# Altium PCB ADAM202303_BACKDOOR.PcbDoc (part 2 of 2)
Units mil, origin at the board's own origin, x right, y up, seen from the top; angles counter-clockwise.
Board outline 3869.58 x 3543.31 mil, 2 copper layers (Top Layer, Bottom Layer); 120 components, 83 nets, 420 pads, 203 vias.
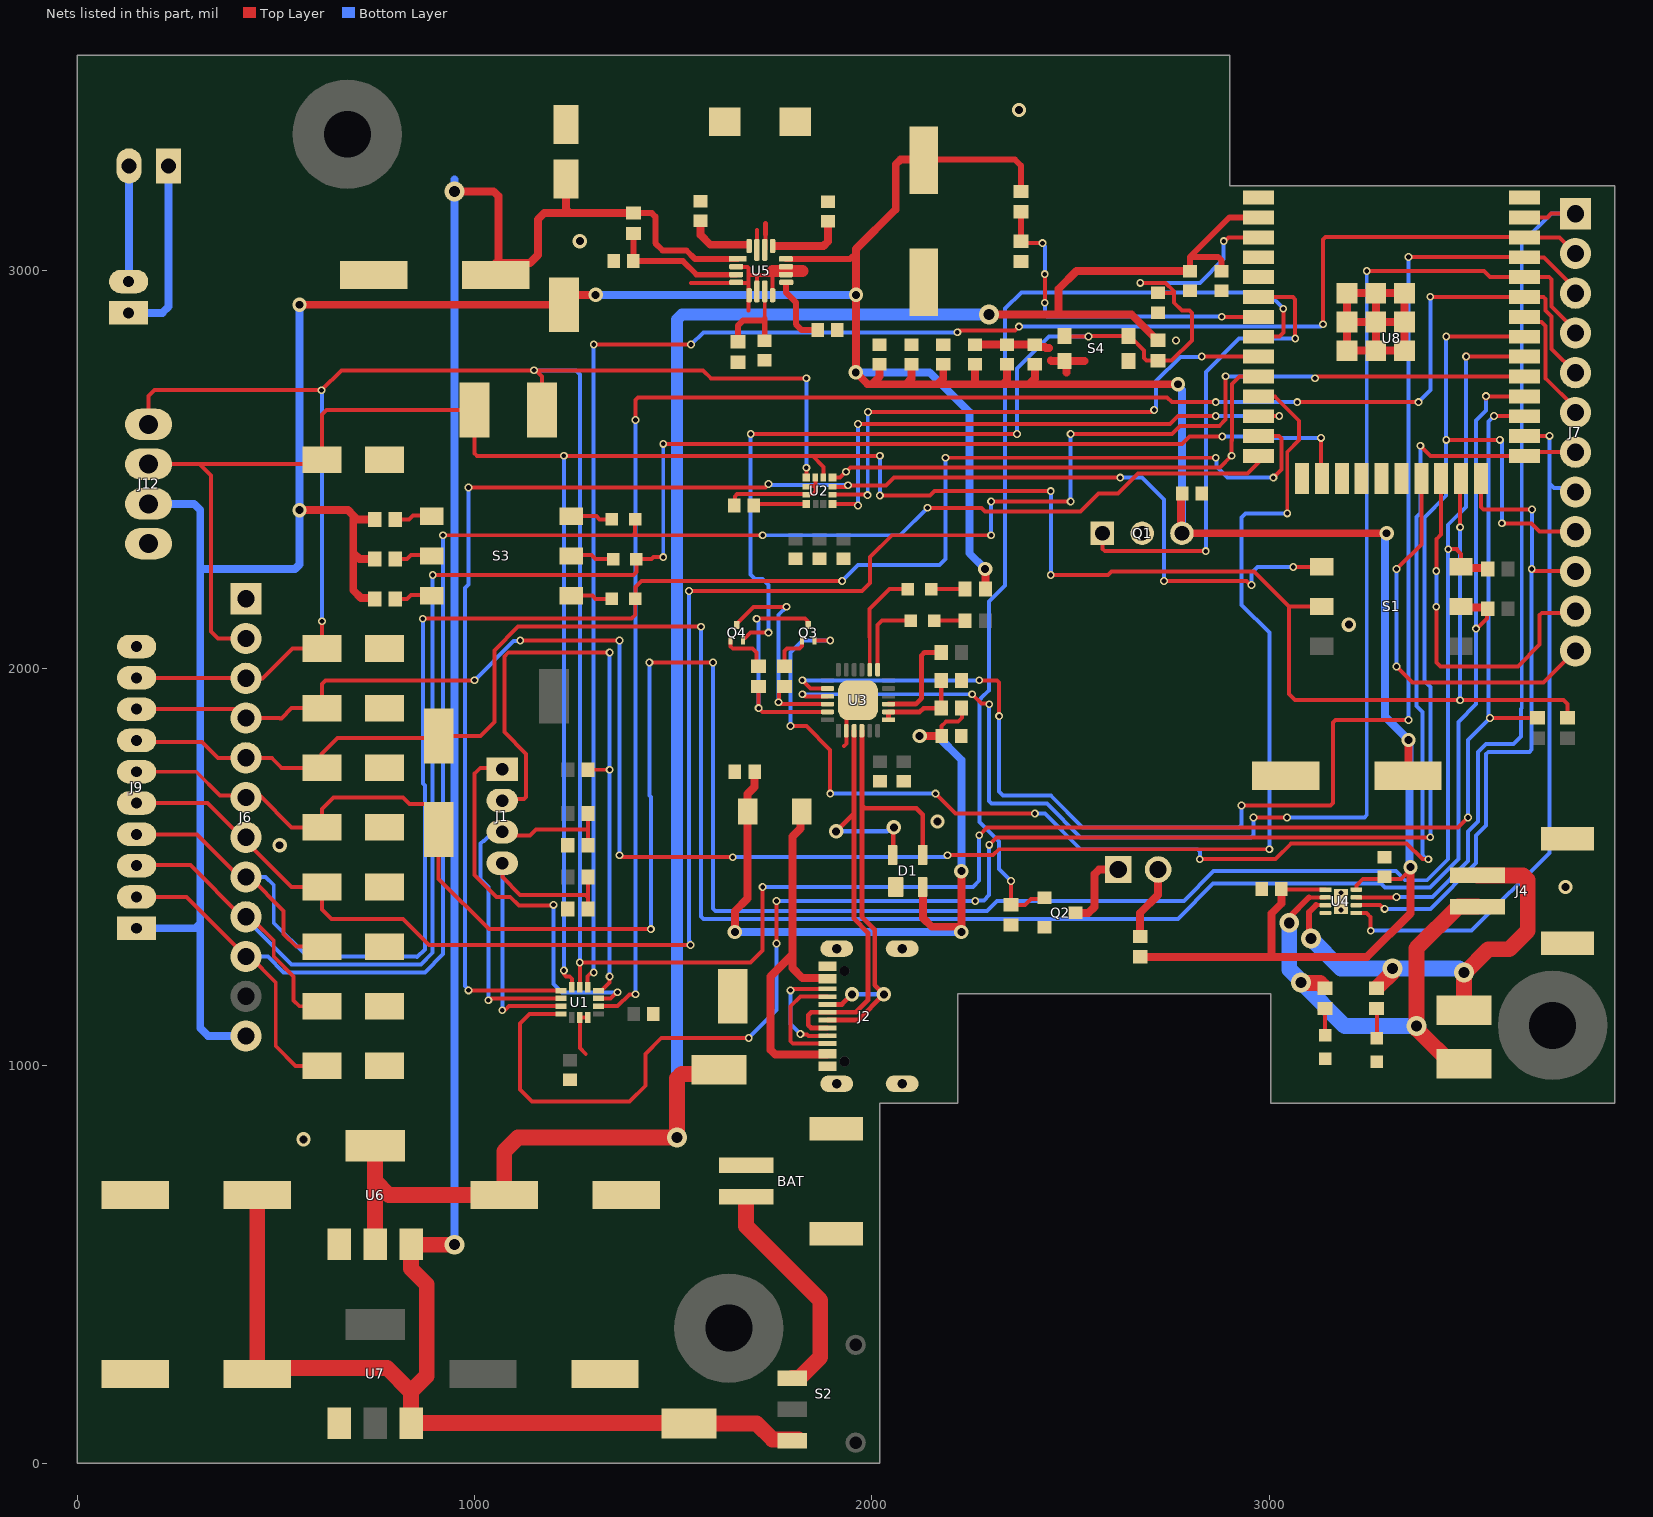
[diagram p2: the nets of this part, all layers, seen from the top]

## Via types
v1: diameter 19.68, hole 11.81, Top Layer to Bottom Layer, 154 vias
v2: diameter 36, hole 20, Top Layer to Bottom Layer, 32 vias
v3: diameter 50, hole 27.56, Top Layer to Bottom Layer, 17 vias

## Nets (pads, with @x,y where several pads share a name; then routed paths per layer and width w, separated by ;. In a path a pad name is that pad's centre, name@x,y a point inside that pad or via, vN(x,y) a via of type N, cw(c..) or ccw(c..) an arc to the next point about the centre after c; other vN are vias at no path point) (continued)
3D_SENSOR_EN: J7.2 U1.12 U8.36 | length 4342.8
  Top Layer w10: U1.12@1284.69,1197.8 1284.69,1225.45 v1@1292.71,1233.47 ; v1(1300,2815) v1(1545,2815) ; v1(2215.04,2845.68) 2219.36,2850 2360,2850 v1(2370,2860) ; v1(3135,2865.86) 3135,3079.14 3140.86,3085 3641.45,3085 U8.36@3641.94,3084.51 3729.49,3084.51 J7.2@3770,3044
  Bottom Layer w10: v1(1300,1235) v1(1300,2815) ; v1(1545,2815) 1575.68,2845.68 v1(2215.04,2845.68) ; v1(2370,2860) 3129.14,2860 v1(3135,2865.86)
+5V: 5V.1 C11.1 C12.2 C13.2 C19.2 C20.2 C21.2 C22.1 C23.1 C24.1 C25.1 C32.2 J6.12 J9.1 J12.2 Q1.3 R8.2 R15.2 R17.2 R18.2 R19.2 R20.2 U4.1 U4.8 U5.12 | length 10889.3
  Top Layer w10: C12.2@3030,1443.53 U4.1@3141.22,1443.53 ; U4.8@3218.78,1443.53 3218.78,1453.78 3235,1470 3331.26,1470 3351.49,1490.23 v2@3355,1490.23
  Top Layer w15: U5.12@1783.49,3030.37 1945.37,3030.37 1960,3045 ; C22.1@2131.7,3280 2360,3280 2375,3265 R20.2@2375,3200
  Top Layer w20: v2(560,2398.28) 681.72,2398.28 695,2385 ; v2(560,2915) 5V.1@1225,2915 1250,2940 v2(1305,2940) ; R19.2@749.41,2175 749.41,2176.97 714.75,2176.97 695,2196.72 695,2290.86 ; R18.2@749.41,2275 710.86,2275 695,2290.86 ; R17.2@749.41,2375 705,2375 695,2385 ; C19.2@2019.51,2765.39 2019.51,2734.51 2000,2715 ; C20.2@2099.51,2765.39 2099.51,2729.51 2085,2715 ; C22.1@2131.7,3280 2071.72,3280 2060,3268.28 2060,3155 1960,3055 1960,3045 v2(1960,2940) 1959.66,2939.66 1959.66,2745.34 v2(1959.33,2745) 1989.33,2715 2000,2715 ; C21.2@2179.51,2765.39 2179.51,2729.51 2165,2715 ; C23.1@2259.51,2765.39 2259.76,2765.15 2259.76,2715.24 2260,2715 ; v2(2285,2250) 2285.3,2249.7 2285.3,2200.3 R8.2@2285.59,2200 ; C24.1@2339.51,2765.39 2339.51,2724.51 2330,2715 ; C25.1@2409.76,2765.39 2409.76,2729.76 2395,2715 ; R15.2@2675,1274.41 2999.41,1274.41 ; v2(2770,2715) 2395,2715 ; C32.2@2775.39,2440 2777.7,2437.7 2777.7,2342.3 Q1.3@2780,2340 v2(3295,2340) ; C12.2@3027.74,1442.35 3030,1444.61 C12.2@3029.61,1445 ; C12.2@3030,1442.35 3030,1407.97 3005,1382.97 3005,1280 2999.41,1274.41 ; C11.1@3348.54,1730 3350,1731.46 v2(3350,1820) v2@3354.61,1815.39 ; v2@3355,1490.23 v2(3355,1500) 3355,1383.64 3245.77,1274.41 2999.41,1274.41 ; 695,2290.86 695,2385 ; 2000,2715 2085,2715 ; 2085,2715 2165,2715 ; 2165,2715 2260,2715 ; 2260,2715 2330,2715 ; 2330,2715 2395,2715
  Bottom Layer w20: J9.1@150,1346.26 298.28,1346.26 310,1357.98 ; J12.2@180,2414 294.28,2414 310,2398.28 310,2250 ; J6.12@425,1075 330,1075 310,1095 310,1357.98 ; v2(560,2915) v2(560,2398.28) 560,2261.72 548.28,2250 310,2250 ; v2(1305,2940) v2(1960,2940) ; v2(1959.33,2745) 2145,2745 2245,2645 2245,2290 v2(2285,2250) ; Q1.3@2780,2340 v2@2780,2700.67 ; v2(3295,2340) 3291,2336 3291,1879 v2(3350,1820) ; v2@3354.61,1815.39 3352.5,1813.29 3352.5,1502.5 v2(3355,1500) ; 310,1357.98 310,2250
BUZZER_EA: D14.2 J6.4 J9.8 U8.11 | length 4842.5
  Top Layer w10: J9.8@150,1897.44 402.56,1897.44 J6.4@425,1875 510,1875 510.86,1874.14 514.14,1874.14 540,1900 D14.2@616.26,1900 616.26,1961.26 625,1970 v1(1000,1970) ; v1(1115,2070) v1(1365,2070) ; v1(1365,1530) 1370,1525 v1(1650,1525) ; v1(2190,1530) 2305,1530 2320,1545 v1(3000,1545) ; 3013.58,2684.51 3075,2623.09 3075,2575 3045,2545 v1(3045,2390)
  Bottom Layer w10: v1(1000,1970) 1098.47,2068.47 1113.47,2068.47 v1(1115,2070) ; v1(1365,1530) v1(1365,2070) ; v1(1650,1525) 2185,1525 v1(2190,1530) ; v1(3000,1545) 3000,2090 2930,2160 2930,2380 2940,2390 v1(3045,2390)
C1: C3.2 U2.4 | length 134.1
  Top Layer w10: C3.2@1702.59,2410 1706.59,2414 U2.4@1834.98,2414
D+: D1.3 J2.A6 J2.B6 U3.4 | length 1269.8
  Top Layer w12: J2.A6@1888.78,1115.16 1965.16,1115.16 v2(2030,1180) 2007,1203 2007,1343 1974.84,1375.16 1974.84,1655.16 ; J2.B6@1888.78,1154.53 1924.53,1154.53 v2(1950,1180) ; U3.4@1974.84,1843.23 1974.84,1655.16 ; D1.3@2127.72,1530.71 2127.72,1632.28 2111.87,1648.13 1981.87,1648.13 1974.84,1655.16
  Bottom Layer w12: v2(1950,1180) v2(2030,1180)
D-: D1.4 J2.A7 J2.B7 U3.3 | length 1218.6
  Top Layer w12: J2.B7@1888.78,1095.47 1888.69,1095.57 1847.03,1095.57 1840,1102.6 1840,1127.81 1847.03,1134.84 J2.A7@1888.78,1134.84 1959.84,1134.84 1990,1165 1990,1335 1955.16,1369.84 1955.16,1635.16 ; v2(1910,1590) 1955.16,1635.16 ; U3.3@1955.16,1843.23 1955.16,1635.16 ; D1.4@2051.06,1531.06 2053.56,1533.56 2053.56,1598.56 v2(2055,1600)
  Bottom Layer w12: v2(1910,1590) 2038.51,1590 2048.51,1600 v2(2055,1600)
DATA_RDY_3D: J7.5 U1.9 U8.33 | length 4364.1
  Top Layer w10: U1.9@1312.64,1150.16 1360.16,1150.16 1390,1180 v1(1405,1180) ; v1(1405,2625) 1405,2675 1412,2682 2743,2682 2755,2670 v1(2865,2670) ; v1(3070,2670) v1(3375,2670) ; v1(3405,2935) 3405.49,2934.51 U8.33@3641.94,2934.51 3642.43,2935 3689.14,2935 3695,2929.14 3695,2900 3710,2885 3710,2804 J7.5@3770,2744
  Bottom Layer w10: v1(1405,1180) v1(1405,2625) ; v1(2865,2670) v1(3070,2670) ; v1(3375,2670) 3405,2700 v1(3405,2935)
DATA_RDY_MAG: U2.8 U8.9 | length 1376.4
  Top Layer w10: U2.8@1900.98,2437 1982.34,2437 1982.81,2436.53 1988.47,2436.53 v1(1989,2436) ; v1(1990,2645) 2702.84,2645 2707.84,2650 v1(2710,2650) ; v1(2830,2785) 2972.16,2785 U8.9@2972.65,2784.51
  Bottom Layer w10: v1(1989,2436) 1989.5,2436.5 1989.5,2644.5 v1(1990,2645) ; v1@2715,2650 2715,2722.84 2776,2783.84 2828.84,2783.84 v1(2830,2785)
DSM: S1.4 U1.1 U2.9 | length 3975.3
  Top Layer w10: v1(985,1190) 985.24,1189.76 1217.13,1189.76 U1.1@1217.36,1189.53 ; v1(985,2455) 1732.84,2455 1740,2462.16 v1(1740,2464) ; U2.9@1900.98,2457 1933.84,2457 1937.84,2461 v1(1940,2461) ; v1@1940,2460 2035,2460 2055,2480 v1(2625,2480) ; v1(2735,2220) 2942.84,2220 2952.84,2210 v1(2955,2210) ; v1(3060,2255) 3130.79,2255 S1.4@3131.77,2255.98
  Bottom Layer w10: v1(985,1190) 985,1192.16 976,1201.16 976,2201.95 985,2210.95 v1(985,2455) ; v1(1740,2464) 1743,2461 v1(1940,2461) ; v1(2625,2480) 2680,2480 2735,2425 v1(2735,2220) ; v1(2955,2210) 2955,2240 2970,2255 v1(3060,2255)
DSR: Q4.2 R22.2 U3.22 | length 566.1
  Top Layer w10: Q4.2@1660,2109.29 1660,2112.44 1702.56,2155 v1(1785,2155) ; R22.2@1780,1954.41 1778.03,1954.41 1766.3,1942.68 1766.3,1916.3 v1(1765,1915) 1767.16,1915 1772.01,1910.16 U3.22@1888.23,1910.16
  Bottom Layer w10: v1(1765,1915) 1765,2135 v1(1785,2155)
DTR: Q3.2 R23.2 U3.23 | length 600.1
  Top Layer w10: v1(1710,2125) 1832.06,2125 1837.91,2119.14 1837.91,2111.38 Q3.2@1840,2109.29 ; R23.2@1715,1954.41 v1(1715,1900) 1725,1890 1887.76,1890 U3.23@1888.23,1890.47
  Bottom Layer w10: v1(1710,2125) 1710,2122.84 1715,2117.84 v1(1715,1900)
"E/S EN": D13.2 J6.7 J9.5 U8.29 | length 5044.7
  Top Layer w10: J9.5@150,1661.22 328.77,1661.22 420,1570 539.99,1450 D13.2@616.26,1450 616.26,1393.74 640,1370 820,1370 886,1304 v1(1543.78,1304) ; v1(1540,2195) 1975,2195 1995,2215 1995,2280 2050,2335 v1(2300,2335) ; v1(2300,2420) v1(2500,2420) ; v1@2500,2584.14 2505.86,2590 2755,2590 2775,2610 2873.94,2610 2890,2626.06 v1(2890,2735) ; v1(3115,2730) 3119.51,2734.51 U8.29@3641.94,2734.51
  Bottom Layer w10: v1(1540,2195) 1540,1314.63 1541.93,1312.7 1541.93,1305.85 v1(1543.78,1304) ; v1(2300,2335) v1(2300,2420) ; v1(2500,2420) v1@2500,2584.14 ; v1(2890,2735) 3107.84,2735 3112.84,2730 v1(3115,2730)
  other v1: 2500,2590
ESP_EN: C33.2 Q4.3 R24.1 S4.3 S4.4 U8.3 | length 2694.8
  Top Layer w10: Q4.3@1675.75,2070.71 1675.75,2075.63 1676.06,2075.94 1680.98,2075.94 1695.04,2090 v1(1740,2090) ; v1(1695,2590) v1(2365,2590) ; S4.4@2487.13,2835.73 2487.86,2835 v1(2545,2835) ; v1@2544.27,2836.43 2650.7,2836.43 2650.7,2834.46 2685,2800.16 2685,2780.86 2690.86,2775 2707.74,2775 2714.16,2768.57 R24.1@2720,2774.41 2754.14,2774.41 2805,2825.27 2805,2894.14 2799.14,2900 2780,2900 2760,2920 2760,2948.93 2738.93,2970 v1(2675,2970) ; C33.2@2720,2944.61 2754.14,2944.61 2758.47,2948.93 ; v1(2885,3075) 2887.16,3075 2896.68,3084.51 U8.3@2972.65,3084.51
  Bottom Layer w10: v1(1695,2590) 1695,2235.86 1705.86,2225 1725,2225 1740,2210 v1(1740,2090) ; v1(2365,2590) 2365,2754.68 2445.32,2835 v1(2545,2835) ; v1(2675,2970) 2825,2970 2885,3030 v1(2885,3075)
GND: BAT.2 BAT.3 BAT.4 C1.1 C2.1 C3.1 C4.1 C5.1 C6.1 C7.1 C8.1 C9.1 C10.1 C11.2 C12.1 C13.1 C15.2 C16.2 C17.1 C19.1 C20.1 C21.1 C22.2 C23.2 C24.2 C25.2 C26.2 C27.1 C28.2 C29.2 C30.2 C31.2 C32.1 C33.1 C34.1 C35.1 D1.1 D4.2 D5.2 D10.1 D11.1 D12.1 D13.1 D14.1 D15.1 D16.1 D17.1 D18.1 GND.1 J2.A1_B12 J2.B1_A12 J2.S1 J2.S2 J2.S3 J2.S4 J4.3 J4.4 J6.1 J9.10 J12.1 Q1.2 Q2.2 R4.1 R5.1 R10.1 R14.1 R16.1 R21.1 S4.1 S4.2 U1.6 U1.7 U2.2 U2.3 U2.12 U3.2 U3.25 U4.4 U4.9 U4.9_1 U4.9_2 U5.2 U5.4 U5.5 U5.6 U5.8 U5.10 U5.11 U6.1 U7.1 U8.1 U8.15 U8.38 U8.39 | length 2242.5
  Top Layer w10: 1280,1030 1265,1045 U1.6@1265,1122.2 U1.7@1284.69,1122.2 ; 1545.06,2969.94 1690,2969.94 ; C3.1@1653.38,2410 1655,2411.62 1655,2433.03 1660.86,2438.89 1852.13,2438.89 1857.98,2444.75 1857.98,2460.86 ; U5.2@1658.53,3010.69 1659.21,3010 1686.51,3010 1688.95,3007.56 1688.95,2990 ; 1690,2900 1690,2969.94 ; U5.6@1710.65,2948.68 1710.65,2990 ; U5.8@1750.02,2938.87 1750.02,2990 ; 1750.02,3010 1750.02,3000 1750.02,2990 ; U2.2@1834.98,2457 1836.87,2458.89 1856.02,2458.89 1857.98,2460.86 ; U2.12@1857.98,2480 1857.98,2460.86 ; 1930,1805 1935.47,1810.47 U3.2@1935.47,1843.23 1936.38,1844.13 1936.38,1891.38 U3.25@1965,1920 ; 1688.95,2990 1710.65,2990 ; 1688.95,2990 1690,2988.95 1690,2969.94 ; 1710.65,2990 1750.02,2990
  Top Layer w20: C23.2@2259.51,2814.61 C24.2@2339.51,2814.61 C25.2@2409.76,2814.61 2415.5,2808.86 2435.13,2808.86 2437.99,2806 2445,2806 ; 2450,2775 2451.57,2773.43 S4.2@2489.28,2773.43 ; 2490,2745 2490,2772.72 S4.2@2489.28,2773.43 ; 2535,2773.43 S4.2@2489.28,2773.43 ; U8.39@3195.51,2871.76 U8.39@3195.51,2944 U8.39@3267.76,2944 ; U8.39@3195.51,2871.76 U8.39@3195.51,2799.51 U8.39@3267.76,2799.51 ; U8.39@3195.51,2871.76 U8.39@3267.76,2871.76 ; U8.39@3267.76,2799.51 U8.39@3340,2799.51 U8.39@3340,2871.76 ; U8.39@3267.76,2799.51 U8.39@3267.76,2871.76 ; U8.39@3267.76,2871.76 U8.39@3340,2871.76 ; U8.39@3267.76,2871.76 U8.39@3267.76,2944 ; U8.39@3267.76,2944 U8.39@3340,2944 U8.39@3340,2871.76
  Top Layer w30: 1750.02,3000 1825,3000
  other v1: 2765,2825
  other v2: 570,815 3745,1450 510,1555 2165,1615 3200,2110 1265,3075 2370,3405
GPIO0: J7.7 Q3.3 U8.25 | length 3653.3
  Top Layer w10: v1(1795,1855) 1835,1855 1895,1795 v1(1895,1685) ; Q3.3@1855.75,2070.71 1855.75,2070.31 1856.06,2070 v1(1895,2070) ; v1(2160,1685) 2210,1635 v1(2410,1635) ; v1(2825,1520) 3015,1520 3055,1560 3345,1560 3385,1520 v1(3400,1520) ; v1(3380,2560) 3405.49,2534.51 U8.25@3641.94,2534.51 3651.43,2544 J7.7@3770,2544
  Bottom Layer w10: v1(1795,1855) 1795,2040 1825,2070 v1(1895,2070) ; v1(1895,1685) v1(2160,1685) ; v1(2410,1635) 2435,1635 2525,1545 2819.14,1545 2825,1539.14 v1(2825,1520) ; v1(3380,2560) 3380,2391.21 3370,2381.21 3370,1905 3385,1890 3385,1530.7 3390.86,1524.84 3392.54,1524.84 3397.38,1520 v1(3400,1520)
GPIO6: U8.20
GPIO7: J7.12 U8.21 | length 997.9
  Top Layer w10: v1(3320,2005) 3360,1965 3690,1965 3769,2044 J7.12@3770,2044 ; v1(3320,2250) 3382.29,2312.29 U8.21@3382.29,2477.77
  Bottom Layer w10: v1(3320,2005) v1(3320,2250)
GPIO8: J7.11 U8.22 | length 923
  Top Layer w10: v1(3420,2155) 3420,2015 3430,2005 3625,2005 3680,2060 3680,2134.14 3685.86,2140 3766,2140 J7.11@3770,2144 ; v1(3420,2245) 3420,2325 3432.29,2337.29 U8.22@3432.29,2477.77
  Bottom Layer w10: v1(3420,2155) v1(3420,2245)
GPIO9: U8.17
GPIO10: U8.18
GPIO11: U8.19
GPIO32: J7.6 U8.32 | length 311
  Top Layer w10: U8.32@3641.94,2884.51 3654.44,2872.01 3684.14,2872.01 3695,2861.15 3695,2730 3770,2655 J7.6@3770,2644
INFRA_R: Q1.1 U8.6 | length 1205.8
  Top Layer w10: Q1.1@2580,2340 2580,2300.86 2585.86,2295 v1(2840,2295) ; U8.6@2972.65,2934.51 3059.14,2934.51 3065,2928.65 v1(3065,2830)
  Bottom Layer w10: v1(2840,2295) 2840,2745.95 2924.05,2830 v1(3065,2830)
INFRA_T: Q2.1 R16.2 U8.8 | length 2511
  Top Layer w10: v1(2350,1465) R16.2@2350,1405.59 2350.59,1405 2385,1405 2400,1420 2431,1420 Q2.1@2434,1423 ; U8.8@2972.65,2834.51 2973.14,2835 3025,2835 3035,2845 v1(3035,2905)
  Bottom Layer w10: v1(2350,1465) 2320,1495 2320,1565 2271,1614 2271,1919.94 2275,1923.94 2275,1925 2295,1945 2295,2168.58 2335,2208.58 2335,2905 2376,2946 2994,2946 v1(3035,2905)
INT_3D: J7.9 U1.4 U8.31 | length 5165.5
  Top Layer w10: U1.4@1217.36,1130.47 1139,1130.47 1115,1106.47 1115,940 1145,910 1390,910 1430,950 1430,1030 1470,1070 1479.46,1070 ; 1479.71,1070.25 1479.46,1070 ; v1(1690,1070) 1479.46,1070 ; v1(1760,1308) v1(1760,1415) ; v1(2260,1415) v1@2261.53,1416.53 ; v1(2295,1556) 2314,1575 v1(3404.84,1575) ; v1(3445,2575) v1(3580,2575) ; v1(3445,2835) 3445.49,2834.51 U8.31@3641.94,2834.51 ; v1(3585,2365) 3659.05,2365 3680.05,2344 J7.9@3770,2344
  Bottom Layer w10: v1(1690,1070) 1760,1140 v1(1760,1308) ; v1(1760,1415) v1(2260,1415) ; v1@2261.53,1416.53 2281.53,1416.53 2295,1430 v1(2295,1556) ; v1(3404.84,1575) 3404.84,1953.74 3390,1968.58 3390,2380 3445,2435 v1(3445,2575) v1(3445,2835) ; v1(3580,2575) 3585,2570 v1(3585,2365)
INT_MAGNET: U2.7 U8.12 | length 1391.5
  Top Layer w10: U2.7@1900.98,2414 1958.84,2414 1962.84,2410 v1(1965,2410) ; v1(1965,2615) 2750,2615 2770,2635 v1(2865,2635) ; U8.12@2972.65,2634.51 3024.51,2634.51 v1(3025,2635)
  Bottom Layer w10: v1(1965,2410) v1(1965,2615) ; v1(2865,2635) v1(3025,2635)
IO35: R20.1 R21.2 U8.7 | length 845.9
  Top Layer w10: R21.2@2375,3075 2380,3070 v1(2429.14,3070) ; v1(2435,2920) v1@2435,2994.24 ; v1(2880,2885) 2880.49,2884.51 U8.7@2972.65,2884.51
  Top Layer w15: R21.2@2375,3075 R20.1@2375,3148.82
  Bottom Layer w10: v1(2429.14,3070) 2429.14,3067.84 2435,3061.98 v1@2435,3000.23 ; v1(2435,2920) 2435,2890.86 2440.86,2885 v1(2880,2885)
  other v1: 2435,2992.07
LED_B_CTRL: D9.2 D17.2 J6.8 J9.4 U8.13 | length 4745.2
  Top Layer w10: J9.4@150,1582.48 301.66,1582.48 399.77,1484.37 415.63,1484.37 J6.8@425,1475 435,1475 520,1390 520,1331.63 551.63,1300 D17.2@616.26,1300 ; v1(870,2125) 1395,2125 1404.53,2134.53 D9.2@1404.53,2175 1405,2175.47 1405,2205 1420,2220 v1(1925,2220) ; v1(2185,2530) v1(2865,2530) ; U8.13@2972.65,2584.51 3024.14,2584.51 3030,2578.65 3030,2500 v1(3010,2480)
  Bottom Layer w10: J6.8@425,1475 474.8,1475 495,1454.8 495,1360 580,1275 855,1275 855.86,1274.14 875,1293.28 875,1705.56 870,1710.56 v1(870,2125) ; v1(1925,2220) 1965,2260 2170,2260 2185,2275 v1(2185,2530) ; v1(2865,2530) 2866.53,2528.47 2866.53,2508.47 2895,2480 v1(3010,2480)
LED_G_CTRL: D8.2 D16.2 J6.9 J9.3 U8.16 | length 4827.4
  Top Layer w10: J9.3@150,1503.74 151.26,1505 285,1505 415,1375 J6.9@425,1375 435.23,1364.77 445.23,1364.77 495,1315 495,1275 545,1225 545,1165 560,1150 D16.2@616.26,1150 ; v1(895,2235) 1400,2235 1407.64,2242.64 D8.2@1407.64,2275 1445,2275 1450,2280 v1(1475,2280) ; v1(1475,2565) 2780,2565 2798.56,2583.56 v1(2881.44,2583.56) ; v1(3130,2580) 3130,2480.07 U8.16@3132.29,2477.77
  Bottom Layer w10: J6.9@425,1375 425,1370 540,1255 865,1255 895,1285 v1(895,2235) ; v1(1475,2280) v1(1475,2565) ; v1(2881.44,2583.56) 3003.18,2583.56 3006.73,2580 v1(3130,2580)
LED_R_CTRL: D7.2 D15.2 J6.10 J9.2 U8.14 | length 4516
  Top Layer w10: J9.2@150,1425 275,1425 J6.10@425,1275 435,1275 500,1210 500,1050 550,1000 D15.2@616.26,1000 ; v1(921,2335) 1398.42,2335 ; D7.2@1404.28,2375.31 1404.28,2340.86 1398.42,2335 ; v1(1725,2335) 1398.42,2335 ; v1(2140,2404) 2276,2404 2285,2395 2525,2395 2570,2440 2618.94,2440 2668.94,2490 2945,2490 2972.65,2517.65 U8.14@2972.65,2534.51
  Bottom Layer w10: J6.10@425,1275 480,1275 520,1235 875,1235 921,1281 v1(921,2335) ; v1(1725,2335) 2071,2335 v1(2140,2404)
MAGNET_EN: U2.10 U8.10 | length 1282.5
  Top Layer w10: U2.10@1900.98,2480 1920,2480 v1(1935,2495) 1946,2506 2876,2506 v1(2905,2535) 2905,2573.18 2905.44,2573.62 2905.44,2715.44 2924.51,2734.51 U8.10@2972.65,2734.51
MISO: D12.2 J6.6 J9.6 MISO.1 R27.1 S1.3 U8.30 | length 6584.8
  Top Layer w10: J9.6@150,1739.96 J9.6@150,1739.96 300,1740 360,1680 460,1680 540,1600 D12.2@616.26,1600 616.26,1646.26 645,1675 820,1675 836.1,1658.9 877.6,1658.9 910,1626.5 MISO.1@910,1595 910,1470 1036,1344 v1(1443.78,1344) ; v1(1440,2015) v1(1600,2015) ; v1(3450,2300) 3471.53,2300 ; 3471.53,2298.47 3482.17,2287.83 S1.3@3482.17,2255.98 ; v1@3495.49,2784.51 U8.30@3641.94,2784.51
  Top Layer w20: S1.3@3482.17,2255.98 3485.16,2252.99 3546.42,2252.99 R27.1@3549.41,2250 ; v1(3495,2785) v1@3495.49,2784.51
  Bottom Layer w10: v1(1440,2015) 1440,1680.62 1443.78,1676.85 v1(1443.78,1344) ; v1(1600,2015) 1600,1395.86 1605.86,1390 2290,1390 2315,1415 2785,1415 2860,1490 3318.33,1490 3341.33,1467 3397.15,1467 3450,1519.85 v1(3450,2300) 3450,2361.45 3495,2406.45 v1(3495,2785)
MOSI: D18.2 J6.5 J9.7 MOSI.1 R28.1 S1.2 U8.28 | length 5852.1
  Top Layer w10: J9.7@150,1818.7 153.7,1815 315,1815 355,1775 J6.5@425,1775 490,1775 515,1750 D18.2@616.26,1750 615,1751.26 615,1785 655,1825 MOSI.1@910,1825 ; MOSI.1@910,1830 1015,1830 1050,1865 1050,2045 1110,2105 v1(1570,2105) ; v1(3520,2100) 3522.16,2100 3547.16,2125 3547.16,2147.76 R28.1@3549.41,2150 ; v1@3545.49,2684.51 U8.28@3641.94,2684.51
  Top Layer w20: S1.2@3482.17,2155.98 3485.16,2152.99 3546.42,2152.99 R28.1@3549.41,2150 ; v1(3545,2685) v1@3545.49,2684.51
  Bottom Layer w10: v1(1570,2105) 1570,1375.86 1575.86,1370 2770,1370 2858.53,1458.53 3281.25,1458.53 3284.78,1455 3285,1455 3291,1449 3404,1449 3475.68,1520.68 3475.68,1865.68 3520,1910 v1(3520,2100) 3520,2300 3520,2623.94 3545,2648.94 v1(3545,2685)
MPAP_C1: J7.10 U4.6 U8.24 | length 1680.4
  Top Layer w10: U4.6@3218.78,1404.16 3278.68,1404.16 3287.84,1395 v1(3290,1395) ; U8.24@3532.29,2477.77 3532.29,2405.86 3538.15,2400 v1(3661,2400) ; v1(3660,2250) 3665.5,2244.5 3769.5,2244.5 J7.10@3770,2244
  Bottom Layer w10: v1(3290,1395) 3405,1395 3520,1510 3520,1580 3545,1605 3545,1784.14 3550.86,1790 3654.14,1790 3660,1795.86 v1(3660,2250) ; v1@3661,2246.3 v1(3661,2400)
MPAP_C2: J7.8 U4.5 U8.26 | length 1791.8
  Top Layer w10: U4.5@3218.78,1384.47 3244.48,1384.47 3255,1373.95 v1(3255,1340) ; U8.26@3641.94,2584.51 3642.43,2585 v1(3705,2585)
  Bottom Layer w10: v1(3255,1340) 3509.14,1340 3705,1535.86 3705,2465 ; v1(3705,2585) 3705,2465 ; J7.8@3770,2444 3759.63,2454.37 3715.63,2454.37 3705,2465
MTR_EA: J7.1 U4.7 U8.37 | length 2268.8
  Top Layer w10: U4.7@3218.78,1423.84 3318.84,1423.84 v1(3320,1425) ; U8.37@3641.94,3134.51 3699.51,3134.51 3709,3144 J7.1@3770,3144
  Bottom Layer w10: v1(3320,1425) 3410,1425 3500,1515 3500,1590 3525,1615 3525,1790 3544.59,1809.59 3613.67,1809.59 3633,1828.92 3633,1898 3635,1900 3635,3070 3710,3145 3769,3145 J7.1@3770,3144
NetC14_1: C14.1 L1.1 U5.15 | length 50.1
  Top Layer w10: U5.15@1710.65,3053.01 1711,3053.35 1711,3103
NetC14_2: C14.2 U5.16 | length 165.1
  Top Layer w20: C14.2@1568.49,3126.39 1568.49,3091 1593.53,3065.96 U5.16@1687.86,3065.96
NetC17_2: C17.2 R13.1 U5.3 | length 342.6
  Top Layer w14: 1558.49,2991 U5.3@1658.53,2991
  Top Layer w15: R13.1@1400,3094.41 1399.8,3094.21 1399.8,3025.2 C17.2@1399.61,3025 1524.49,3025 1558.49,2991
NetC18_1: C18.1 L1.2 U5.14 | length 68.1
  Top Layer w10: U5.14@1730.34,3053.01 1732.23,3054.9 1732.23,3090.73 1732.5,3091 ; 1732,3120 1732.5,3119.5
  Top Layer w12: 1732.5,3091 1732.5,3119.5
NetC18_2: C18.2 U5.13 | length 192.4
  Top Layer w20: U5.13@1753.23,3062.85 1878.28,3062.85 1890,3074.57 C18.2@1890,3125.39
NetC26_1: C26.1 U5.9 | length 172.1
  Top Layer w15: U5.9@1783.49,2966.16 1783.49,2946 1808.49,2921 1808.49,2866 1823.49,2851 C26.1@1863.88,2851
NetC27_2: C27.2 R14.2 U5.7 | length 239.3
  Top Layer w10: 1730.34,2880.34 U5.7@1730.34,2948.68
  Top Layer w12: 1725,2875 1730.34,2880.34
  Top Layer w15: R14.2@1663.49,2821.59 1663.49,2863.28 1675.2,2875 1725,2875 ; C27.2@1730.34,2824.94 1730.34,2880.34
NetD2_1: D2.1 R8.1 | length 84.8
  Top Layer w10: D2.1@2149.78,2199.69 2234.1,2199.69 R8.1@2234.41,2200
NetD2_2: D2.2 U3.14 | length 270
  Top Layer w10: U3.14@1994.53,1996.77 1994.53,2078.63 1994.14,2079.02 1994.14,2149.14 2044.69,2199.69 D2.2@2090.72,2199.69
NetD3_1: D3.1 R9.1 | length 78
  Top Layer w10: D3.1@2156.42,2120 R9.1@2234.41,2120
NetD3_2: D3.2 U3.13 | length 200.1
  Top Layer w10: U3.13@2014.21,1996.77 2014.21,2109.21 2025,2120 D3.2@2097.36,2120
NetD4_1: D4.1 R11.1 | length 68
  Top Layer w10: D4.1@3140,1076.42 R11.1@3140,1144.41
NetD5_1: D5.1 R12.1 | length 74.8
  Top Layer w10: R12.1@3270,1144.41 3270.31,1144.1 D5.1@3270.31,1069.78
NetD6_1: D6.1 Q2.3 | length 200.9
  Top Layer w20: Q2.3@2512.74,1385.6 2513.34,1385 2545,1385 2560,1400 2560,1482.28 2571.72,1494 D6.1@2620,1494
NetD6_2: D6.2 R15.1 | length 187
  Top Layer w20: R15.1@2675,1325.59 2675,1385 2720,1430 D6.2@2720,1494
NetD7_1: D7.1 S3.3 | length 105.5
  Top Layer w10: S3.3@1243.17,2382.98 1307.02,2382.98 1315,2375 1344.92,2375 D7.1@1345.22,2375.31
NetD8_1: D8.1 S3.2 | length 110.4
  Top Layer w10: S3.2@1243.17,2282.98 1245.18,2285 1295,2285 1305,2275 D8.1@1348.58,2275
NetD9_1: D9.1 S3.1 | length 105.6
  Top Layer w10: S3.1@1243.17,2182.98 1297.02,2182.98 1305,2175 D9.1@1345.47,2175
NetJ1_3: J1.3 R1.1 R4.2 U1.2 | length 959.6
  Top Layer w10: v1(1035,1165) 1037.16,1165 1042.16,1170 1217.2,1170 U1.2@1217.36,1169.84 ; J1.3@1070,1588.74 1078.74,1580 1140,1580 1155,1595 1285.59,1595 ; R4.2@1285.59,1555 1285.59,1595 ; R1.1@1285.59,1635 1285.59,1595
  Bottom Layer w10: v1(1035,1165) 1035,1450 1015,1470 1015,1559.14 1022.07,1566.21 1024.36,1566.21 1046.88,1588.74 J1.3@1070,1588.74
NetJ1_4: J1.4 R2.1 R5.2 U1.3 | length 873.2
  Top Layer w10: v1(1070,1140) 1071.53,1141.53 1078.7,1141.53 1087.32,1150.16 U1.3@1217.36,1150.16 ; J1.4@1070,1510 1070,1475 1115,1430 1279.73,1430 1285.59,1424.14 ; R5.2@1285.59,1395 1285.59,1424.14 ; R2.1@1285.59,1475 1285.59,1424.14
  Bottom Layer w10: v1(1070,1140) J1.4@1070,1510
NetJ2_A5: J2.A5 J2.B5 | length 286.9
  Top Layer w10: v1(1795,1190) 1798.9,1193.9 J2.B5@1888.78,1193.9 ; v1(1820,1080.1) 1821.53,1078.57 1836.43,1078.57 1840,1075 1887.99,1075 J2.A5@1888.78,1075.79
  Bottom Layer w10: v1(1795,1190) 1795,1105.1 v1(1820,1080.1)
NetJ2_A8: J2.A8 J2.B8 | length 288.7
  Top Layer w10: J2.B8@1888.78,1056.1 1800.86,1056.1 1795,1061.96 1795,1150 1820,1175 1887.99,1175 J2.A8@1888.78,1174.21
NetJ4_1: J4.1 M+.1 R11.2 U4.2 | length 1237.9
  Top Layer w10: v3(3050,1360) v3@3050,1374.23 ; 3099.61,1423.84 U4.2@3141.22,1423.84 ; R11.2@3135.59,1200 R11.2@3140,1195.59
  Top Layer w15: v3@3050,1374.23 3099.61,1423.84
  Top Layer w40: v3(3080,1210) 3081.91,1208.09 3127.5,1208.09 R11.2@3135.59,1200 ; M+.1@3480,1000 3463.5,1000 3371.91,1091.59 3371.91,1098.09 v3(3370,1100) 3370,1295.48 3475.15,1400.63 J4.1@3523.65,1400.63
  Bottom Layer w40: v3(3050,1360) 3050,1242.71 3080,1212.71 v3(3080,1210) 3190,1100 v3(3370,1100)
NetJ4_2: J4.2 M-.1 R12.2 U4.3 | length 1154.3
  Top Layer w10: 3117.15,1404.16 U4.3@3141.22,1404.16
  Top Layer w15: v3(3105,1320) 3100,1325 3100,1387 3117.15,1404.16
  Top Layer w40: R12.2@3274.7,1200.3 3310,1235.59 v3(3310,1245) ; M-.1@3490,1140 v3(3490,1235) 3492.71,1235 3551.19,1293.48 3603.48,1293.48 3650,1340 3650,1467.65 3638.28,1479.37 J4.2@3523.65,1479.37
  Bottom Layer w40: v3(3105,1320) 3180,1245 3477.29,1245 3487.29,1235 v3(3490,1235)
NetJ5_1: BAT.1 S2.3 | length 572.4
  Top Layer w40: BAT.1@1683.65,670 1683.65,596.35 1870,410 1870,267.05 1817.32,214.37 S2.3@1799.61,214.37
NetJ10_1: J10.1 J11.1 | length 460.8
  Bottom Layer w20: J10.1@130,2894.63 214.63,2894.63 230.59,2910.59 J11.1@230.59,3264.24
NetJ10_2: J10.2 J11.2 | length 291.1
  Bottom Layer w20: J10.2@130,2973.37 130.29,2973.66 130.29,3263.94 J11.2@130.59,3264.24
NetQ3_1: Q3.1 R22.1 | length 102.3
  Top Layer w10: R22.1@1780,2005.59 1780,2044.14 1785.86,2050 1818.08,2050 1823.94,2055.86 1823.94,2070.39 Q3.1@1824.25,2070.71
NetQ4_1: Q4.1 R23.1 | length 123.6
  Top Layer w10: Q4.1@1644.25,2070.71 1644.57,2070.39 1644.57,2055.54 1650.11,2050 1700,2050 1710,2040 1710,2010.59 R23.1@1715,2005.59
NetR6_1: R6.1 U3.9 | length 249.7
  Top Layer w12: U3.9@2041.77,1910.16 2110.16,1910.16 2125,1925 2125,2032.97 2132.03,2040 R6.1@2174.41,2040
NetR7_1: R7.1 R10.2 U3.7 U3.8 | length 226.3
  Top Layer w12: U3.7@2041.77,1870.79 U3.8@2041.77,1890.47 2120.47,1890.47 2130,1900 R7.1@2174.41,1900 R10.2@2174.41,1970
NetR17_1: R17.1 S3.4 | length 97.2
  Top Layer w10: R17.1@800.59,2375 835,2375 845,2385 890.76,2385 S3.4@892.77,2382.98
NetR18_1: R18.1 S3.5 | length 97.2
  Top Layer w10: R18.1@800.59,2275 830,2275 840,2285 890.76,2285 S3.5@892.77,2282.98
NetR19_1: R19.1 S3.6 | length 97.2
  Top Layer w10: R19.1@800.59,2175 830,2175 840,2185 890.76,2185 S3.6@892.77,2182.98
OCS_AUX: J1.1 U1.10 | length 986.3
  Top Layer w10: J1.1@1070,1746.22 1066.22,1750 1015,1750 1000,1735 1000,1480 1055,1425 1090,1425 1111.53,1403.47 1197.15,1403.47 v1(1198.68,1405) ; U1.10@1312.64,1169.84 1342.68,1169.84 1357.84,1185 v1(1360,1185)
  Bottom Layer w10: v1(1198.68,1405) 1199,1404.68 1199,1206 1220,1185 v1(1360,1185)
RX_ESP: J7.4 U3.21 U8.34 | length 3829
  Top Layer w10: v1(1825,1935) 1827.16,1935 1832.32,1929.84 U3.21@1888.23,1929.84 ; v1(2252.09,1935) 2275.56,1911.53 2293.47,1911.53 v1(2295,1910) ; v1(2960,1625) v1(3044.56,1625) ; v1(3245,3000) 3540,3000 3555.49,2984.51 U8.34@3641.94,2984.51 3704.14,2984.51 3710,2978.65 3710,2910.5 3770,2850.5 J7.4@3770,2844
  Bottom Layer w10: v1(1825,1935) v1(2252.09,1935) ; v1(2295,1910) 2295,1665.86 2300.86,1660 2440,1660 2525,1575 2954.14,1575 2960,1580.86 v1(2960,1625) ; v1(3044.56,1625) 3239.14,1625 3245,1630.86 v1(3245,3000)
SCL/CLK: D11.2 J6.3 J9.9 J12.4 R26.1 SCL.1 U1.13 U2.1 U8.27 | length 8711.5
  Top Layer w10: J9.9@150,1976.18 150.59,1975.59 424.41,1975.59 J6.3@425,1975 466.72,1975 541.72,2050 D11.2@616.26,2050 v1(616.26,2118.74) ; J12.4@180,2614 180,2685 195,2700 v1(615,2700) 665,2750 v1(1150,2750) v1@1155,2750 ; SCL.1@1170,2650 1170,2735 v1@1155,2750 ; U1.13@1265,1197.8 v1(1265,1260) 1695,1260 1725,1290 v1(1725,1450) ; U2.1@1834.98,2480 v1(1835,2505) ; v1(1835,2730) 1595,2730 1575,2750 v1@1155,2750 ; v1(2270,1580) 2290,1600 3475,1600 v1(3500,1625) ; v1(3555,1875) 3555.59,1875.59 R26.1@3675,1875.59 ; v1(3565,2635) 3641.45,2635 U8.27@3641.94,2634.51
  Bottom Layer w10: v1(615,2700) 616.26,2698.74 v1(616.26,2118.74) ; v1(1150,2750) 1255,2750 1265,2740 v1(1265,1260) ; v1(1725,1450) 2254.14,1450 2270,1465.86 v1(2270,1580) ; v1(1835,2505) v1(1835,2730) ; v1(3500,1625) 3500,1820 v1(3555,1875) 3551,1879 3551,2621 v1(3565,2635)
SDA: D10.2 J6.2 J12.3 R25.1 S1.5 SDA.1 U1.14 U2.11 U8.23 | length 7012.2
  Top Layer w10: J12.3@180,2514 308.5,2514 ; J6.2@425,2075 355,2075 337.5,2092.5 337.5,2485 308.5,2514 ; v1(1225,1240) 1225,1230.86 1230.86,1225 1239.46,1225 1245.31,1219.14 U1.14@1245.31,1197.8 ; U2.11@1877.98,2480 1877.98,2507.02 1850,2535 ; v1(2020,2435) 2146.55,2435 2157.55,2446 v1(2450,2446) ; v1(2020,2535) 1850,2535 ; v1(2450,2235) 2594.05,2235 2603.05,2244 2961,2244 3049.02,2155.98 ; S1.5@3131.77,2155.98 3049.02,2155.98 ; v1(3480,2355) 3480,2475.48 U8.23@3482.29,2477.77 ; R25.1@3750,1875.59 3750,1910 3740,1920 v1(3480,1920) 3065,1920 3049.02,1935.98 3049.02,2155.98 ; 308.5,2514 605.26,2514 D10.2@616.26,2525 616.26,2638.28 627.98,2650 SDA.1@1000,2650 1000,2540.86 1005.86,2535 v1(1225,2535) 1850,2535
  Bottom Layer w10: v1(1225,1240) v1(1225,2535) ; v1(2020,2435) v1(2020,2535) ; v1(2450,2235) v1(2450,2446) ; v1(3480,1920) v1(3480,2355)
SDO_AUX: J1.2 R3.1 U1.11 | length 1629.3
  Top Layer w10: J1.2@1070,1667.48 1073.38,1670.86 1124.14,1670.86 1130,1676.72 1130,1785 1075,1840 1075,2030 1085,2040 v1(1340,2040) ; R3.1@1285.59,1745 v1(1340,1745) ; U1.11@1312.64,1189.53 1319.53,1189.53 1340,1210 v1(1340,1225)
  Bottom Layer w10: v1(1340,1225) v1(1340,1745) v1(1340,2040)
SENS_VN: U8.5
SENS_VP: U8.4
TX_ESP: J7.3 U3.20 U8.35 | length 3799.4
  Top Layer w10: v1(1825,1970) 1845.47,1949.53 U3.20@1888.23,1949.53 ; v1(2270,1970) 2314.14,1970 2320,1964.14 v1(2320,1880) ; v1(2930,1655) 3154.14,1655 3160,1660.86 3160,1864.14 3165.86,1870 v1(3350,1870) ; v1(3350,3035) 3641.45,3035 3642.03,3034.42 3690.58,3034.42 3770,2955 J7.3@3770,2944
  Bottom Layer w10: v1(1825,1970) v1(2270,1970) ; v1(2320,1880) 2320,1690 2330,1680 2450,1680 2530,1600 2924.14,1600 2930,1605.86 v1(2930,1655) ; v1(3350,1870) v1(3350,3035)
VBat: C15.1 C16.1 C28.1 C30.1 R13.2 S2.1 U5.1 U6.3 U7.3 VBat.1 | length 6336.5
  Top Layer w15: R13.2@1400,3145.59 1446.21,3145.59 1455,3136.8 1455,3070 1473.47,3051.53 1533.47,3051.53 1554.63,3030.37 U5.1@1662.42,3030.37
  Top Layer w20: v3(950,3200) 1048.28,3200 1060,3188.28 1060,2996.46 C15.1@1053.54,2990 ; C15.1@1053.54,3020 1140,3020 1160,3040 1160,3130 1175.59,3145.59 1230,3145.59 1238.79,3145.59 ; C16.1@1230,3231.1 1230,3154.38 1238.79,3145.59 ; R13.2@1400,3145.59 1238.79,3145.59
  Top Layer w40: C28.1@453.54,675 C30.1@453.54,225 490,225 505,240 780,240 840,180 ; v3(950,550) 841.54,550 U6.3@840.55,550.98 840,550.43 840,490 880,450 880,220 840,180 ; VBat.1@1539.02,100.98 U7.3@840.55,100.98 840,101.54 840,180 ; VBat.1@1540,100 1710,100 1750,60 S2.1@1815,60
  Bottom Layer w20: v3(950,550) 950,3230
vBus: C7.2 C8.2 D1.2 F1.2 R7.2 | length 1905.6
  Top Layer w10: C7.2@2175.39,1830 2175,1830.39 2175,1855 2185.83,1865.83 2216.53,1865.83 2226.56,1875.86 2226.56,1899.03 R7.2@2225.59,1900
  Top Layer w20: v2(1655,1337) 1655,1388.96 1687.09,1421.04 F1.2@1687.09,1640 1687.09,1684.2 1704.61,1701.72 C8.2@1704.61,1740 ; v2(2120,1830) C7.2@2175.39,1830 ; D1.2@2127.72,1450 2128.86,1448.86 2128.86,1371.72 2150.57,1350 v2@2225,1350 ; v2(2225,1337) v2@2225,1350 ; v2(2225,1490) v2@2225,1350
  Bottom Layer w20: v2(1655,1337) v2(2225,1337) ; v2(2120,1830) 2165,1830 2225,1770 v2(2225,1490)
Vesp: C29.1 C34.2 C35.2 R24.2 U6.2 U6.4 U8.2 VEsp.1 | length 5477.4
  Top Layer w15: C34.2@2800,2999.61 2800,3035 ; C35.2@2880,3004.61 2880,3026.21 2871.21,3035 2800,3035 ; U8.2@2972.65,3134.51 2899.51,3134.51 2800,3035
  Top Layer w20: v3(2295,2890) 2470,2890 ; R24.2@2720,2825.59 2718.03,2825.59 2653.62,2890 2470,2890 ; C34.2@2800,2999.61 2669.61,2999.61 2669.21,3000 2515,3000 2470,2955 2470,2890
  Top Layer w40: U6.2@750,550.98 750,710 ; U6.4@750,799.02 750,710 ; VEsp.1@1615,990 1605,980 1521.72,980 1510,968.28 v3(1510,820) 1110,820 1075,785 C29.1@1075,675 785,675 750,710
  Bottom Layer w30: v3(1510,820) 1510,2878.28 1521.72,2890 v3(2295,2890)
VUSB: F1.1 J2.A4_B9 J2.B4_A9 | length 914.8
  Top Layer w20: F1.1@1822.91,1640 1820.39,1637.48 1820.39,1597.52 1800,1577.13 1800,1280 ; J2.A4_B9@1888.78,1030.51 1886.97,1028.7 1756.72,1028.7 1745,1040.42 1745,1225 1800,1280 ; J2.B4_A9@1888.78,1219.49 1886.97,1221.3 1825,1221.3 1800,1246.3 1800,1280
pads on no net: J2. J6.11 S1.1 S1.6 S2.2 S2.MH U3.1 U3.10 U3.11 U3.12 U3.15 U3.16 U3.17 U3.18 U3.19 U3.24

## Polygon pours and split planes (outlines as drawn)
GND on Top Layer "TOP GND LYRD" (solid, remove dead copper, pour order 4): 0,3568.17 0,0 2019.76,0 2019.93,-0.18 2019.93,872.82 3922.93,872.82 3922.93,3575.05 2065.05,3575.05 2060,3570 2060,3150 1450,3150 1450,3210 1340,3210 1340,3575.05
NetC18_1 on Top Layer "TOP IND NET -" (solid, remove dead copper, pour order 3): 1725,3045 1725,3570 2060,3570 2060,3045
NetC14_1 on Top Layer "TOP IND NET +" (solid, remove dead copper, pour order 2): 1716.3,3570 1716.3,3050 1450,3050 1450,3210 1340,3210 1340,3570
GND on Bottom Layer "BOT GND LYRD" (solid, remove dead copper, pour order 0): 3923,3578 3923,873 2020,873 2020,0 0,-1.29 0,3573.3

## Keep-outs
Keep-Out Layer:
  circle w10: c2668.86,3227.07 r197.97
  lines w10: 2720.1,3418.29 2714.98,3423.4 2714.98,3514.73 2744.98,3514.73 ; 2870,3214 2900,3214 ; 2900,3515 30,3515 30,30 1989.18,30 1989.18,935.51 2186.03,935.51 2186.03,1211.1 3033.43,1211.1 3033.43,935.51 3839.57,935.51 3839.57,3215 ; 2945.16,1909.18 cw(c2668.85,1909.18) 2945.16,1909.43 ; 2900,3214 2900,3543.31 0,3543.31 0,0 2019.18,0 2019.18,905.51 2216.03,905.51 2216.03,1181.1 3003.43,1181.1 3003.43,905.51 3869.57,905.51 3869.57,3214 2900,3214

## Other copper
Top Layer:
  pour cut-out: 1100,1275 1100,1050 1380.39,1050 1380.39,1154.61 1380,1155 1382.72,1157.72 1475.35,1157.72 1475.35,1274.65 1475,1275
  pour cut-out: 1955,2520 1955,2385 1785,2385 1707.72,2385 1705,2382.28 1705,2520

## Silkscreen, mask and mechanical layers (free items; w line width, h text height)
Top Overlay:
  text "D11-18" at 850,970 h40
Bottom Overlay:
  text "Adam Project / P00002-V1" at 1080,2915 h180
Mechanical 5:
  lines w3.94: 1468,3543 1664.84,3543.02

## Text inside footprints (layer, text, board x,y; h text height)
Q1: Top Overlay "1" at 2500,2320 h40